# KiCad board k410t-devboard.kicad_pcb (continued)
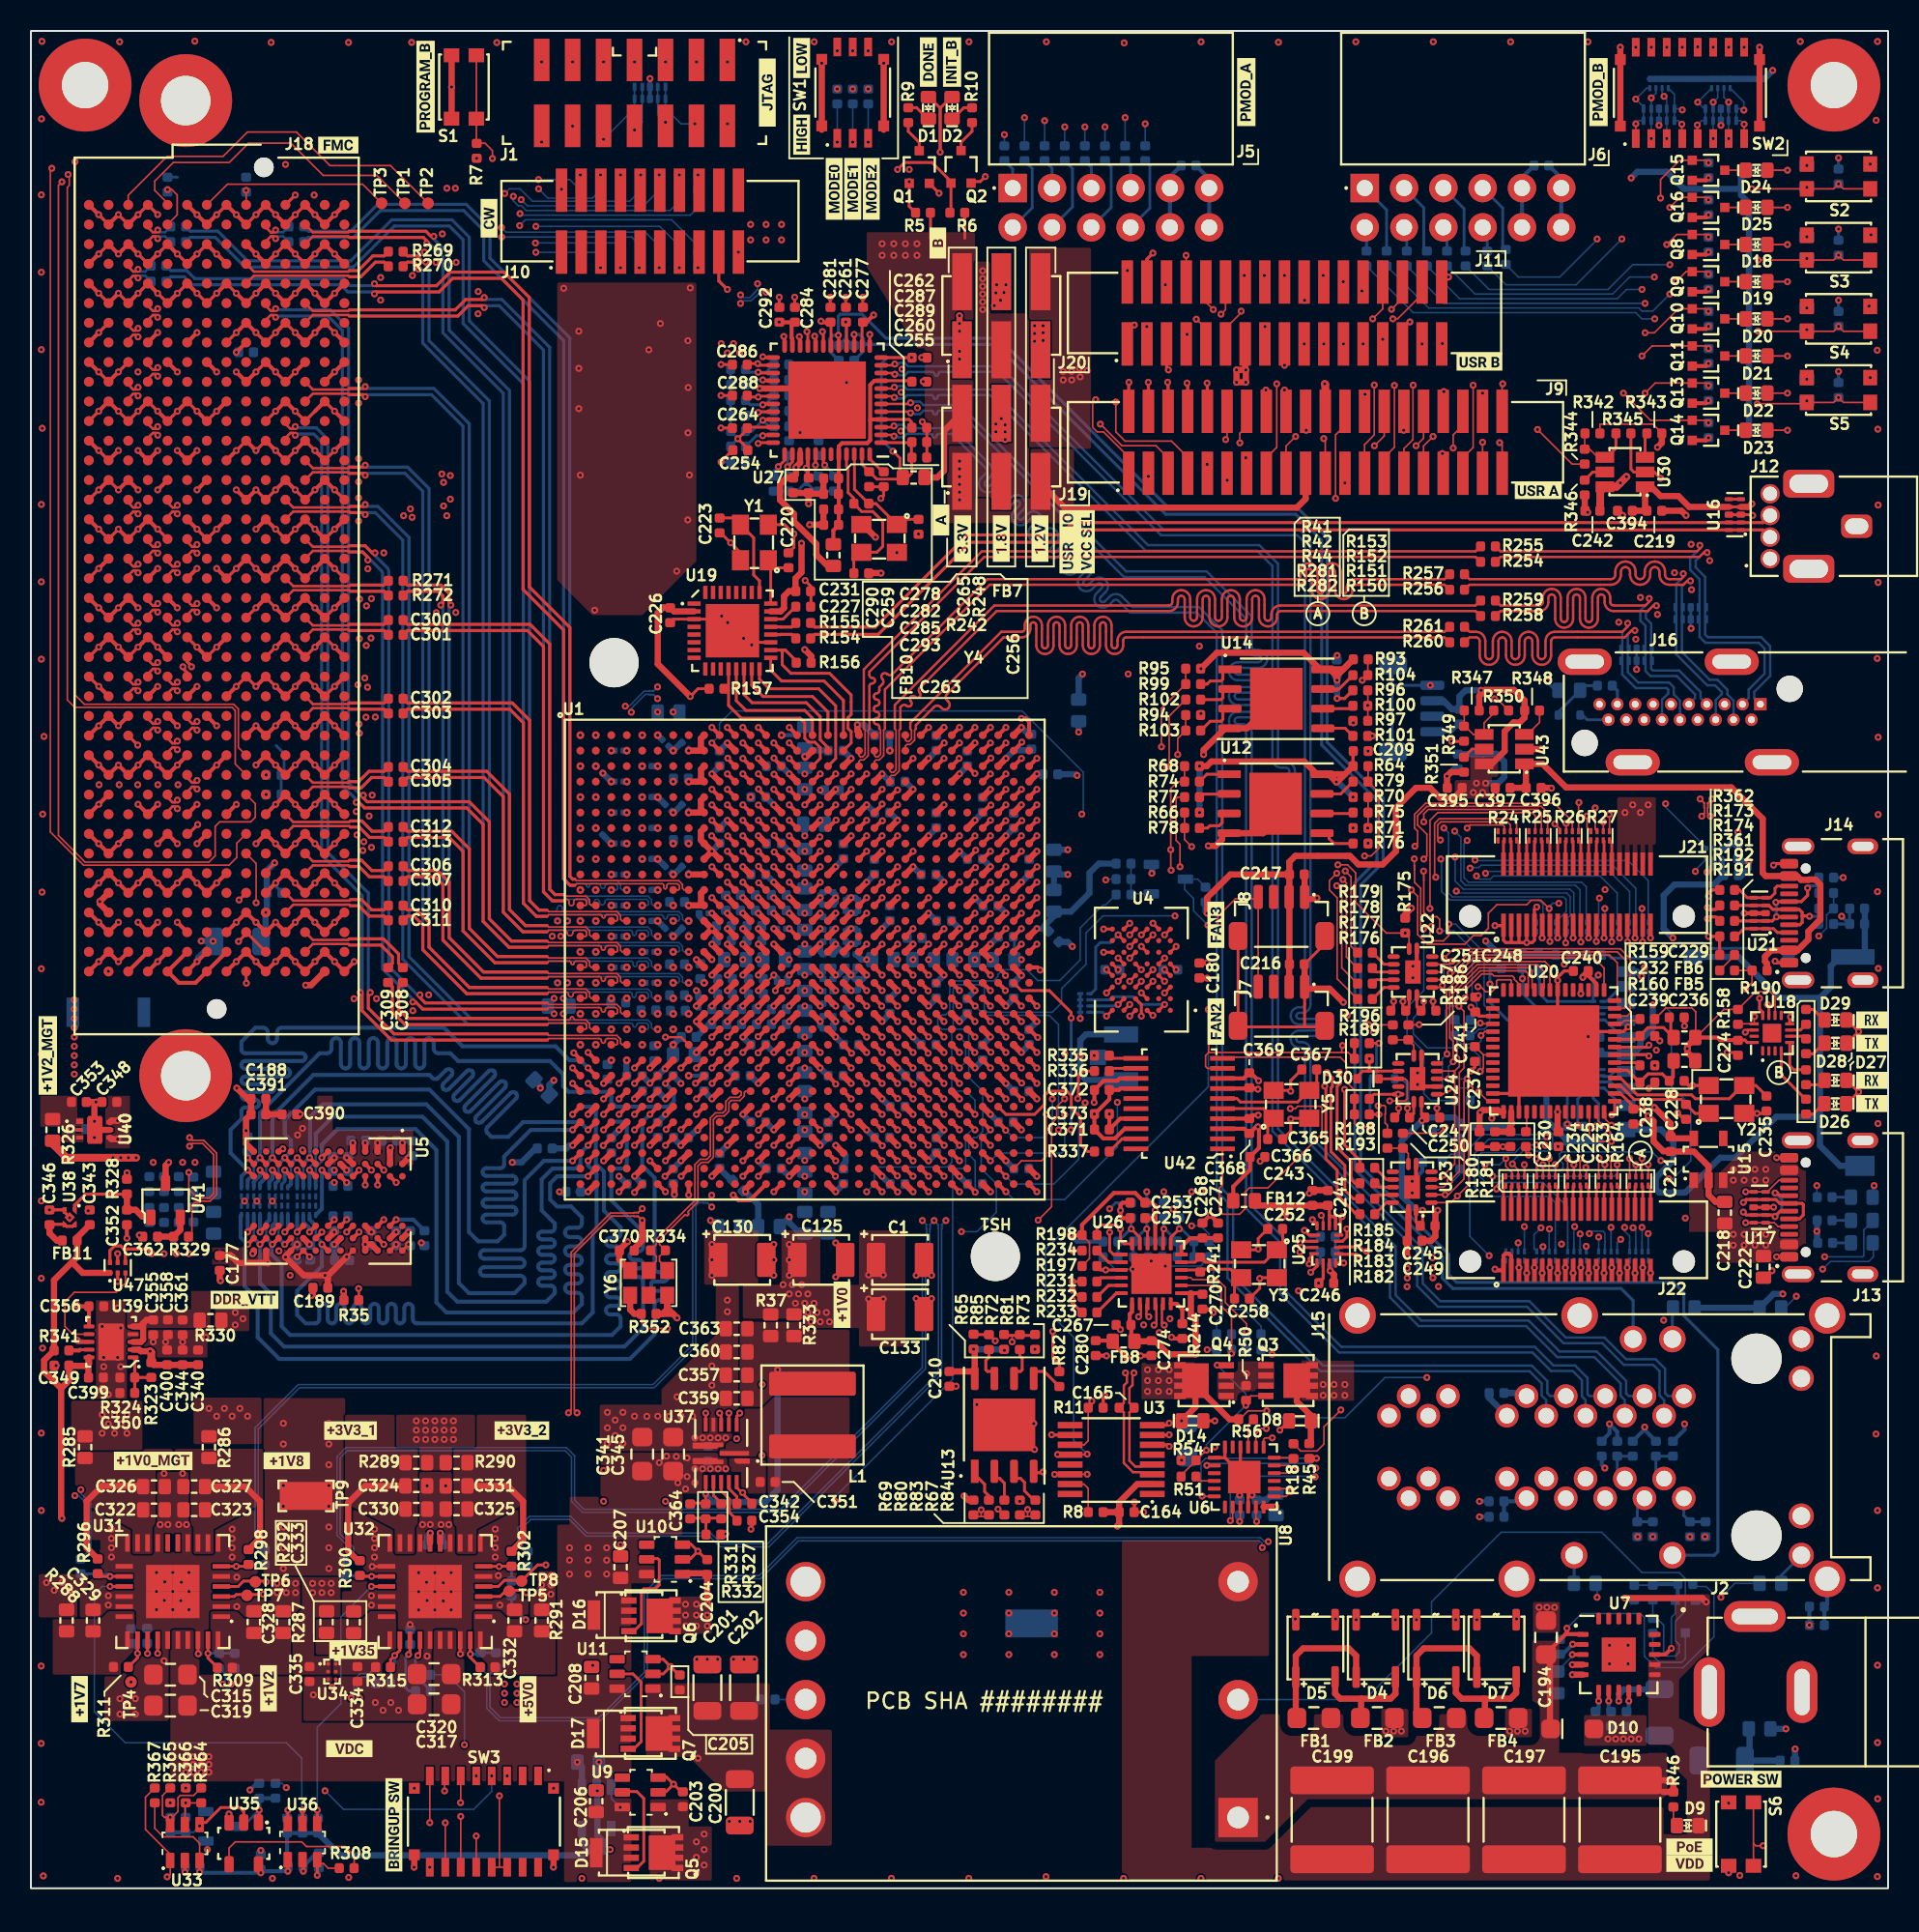
[diagram p0: board, top side]
## Routing (per net, layer and track width the routed paths; a pad name or vN(x,y) marks a point on that pad's centre or on a via; arc(x,y) is an arc through that point) (continued)
/DC-DC Converters/1V0_REG: length 15.4
  Top w0.177: U37.10 v1(43.6,25.5) 43.6,24.88 42.6,24.88
  Bottom w0.4: v1(43.6,25.5) 43.6,25.4 44.04,24.96 47.46,24.96 48.25,25.75 v1(48.25,33.5)
/DC-DC Converters/1V0_SS: length 2.9
  Top w0.177: 44.6,26.25 44.6,25.68 45.13,25.15 45.13,24.28 45.62,23.8
/DC-DC Converters/1V0_VCC: length 1.6
  Top w0.177: 45.62,24.9 45.62,25.31 45.1,25.82 45.1,26.25
/DC-DC Converters/1V7: length 1.1
  Top w0.4: 5.1,49.5 5.2,49.6 v1(5.6,49.6) ; 5.1,48.5 5.2,48.4 v1(5.6,48.4)
  vias: v1(1,19.75) v1(1.5,19.25) v1(2,19.75) v1(2.5,19.25)
/DC-DC Converters/1V8_local: length 7.4
  Top w0.4: 14.06,21.88 14.8,22.62 14.8,25 13.85,25.95 C327.2
/DC-DC Converters/1V85_OUT: length 6.8
  Top w0.201: 6.2,44.85 3.53,44.85 2.82,44.15 2.82,43.8
  Top w0.4: 6.2,44.85 6.2,43.84 6.76,43.84 7.2,43.4 7.75,43.4
/DC-DC Converters/1V85_VIN: length 3.3
  Top w0.201: 2.82,42.9 2.69,42.77 2.31,42.77 U38.3 1.24,42.9 1.2,42.87
  Top w0.4: 1.2,42.87 1.2,42.32 1.67,41.85 2.01,41.85
/DC-DC Converters/3V3_local: length 8.3
  Top w0.4: 21.25,21.17 21.13,21.17 20.5,21.8 20.5,24.9 21.6,26 C324.2
/DC-DC Converters/3V3_local_2: length 7.6
  Top w0.4: 31.05,21.77 31.8,22.52 31.8,25 30.8,26 C331.2
/DC-DC Converters/+0V675_EN: length 8.4
  Top w0.1: 3.75,35.8 2.7,35.8 2.2,36.3 2.2,37.9 2.8,38.5 5.5,38.5 6.1,39.1 6.1,39.76
/DC-DC Converters/VDDR_PGOOD: length 1.3
  Top w0.182: U39.9 3.18,34.8
  Top w0.256: 3.18,34.8 3.12,34.75 2.46,34.75
/DC-DC Converters/VDDR_VRI: length 3.4
  Top w0.201: 7.78,33 6.71,33 ; 6.71,32 6.71,34.19 U39.1
/DC-DC Converters/VDDR_VTT: length 3.2
  Top w0.4: 7.9,36.72 7.47,36.72 7.25,36.5 ; U39.3 7.1,35.3 7.25,35.45 7.25,36.5 ; 7.25,36.5 7.05,36.3 6.6,36.3
/Power supply/VBUS_DIS: length 10.9
  Top w0.1: v1(75.68,25.34) 75.7,25.32 76.47,25.32 ; v1(83.07,27.78) 82.71,27.78 82.7,27.78
  Bottom w0.1: v1(75.68,25.34) 75.6,25.41 75.6,27.48 75.91,27.78 v1(83.07,27.78)
/Power supply/VDD: length 32
  Top w0.256: 99.17,16.42 99.25,16.5 v1(99.25,16.8) ; 99.17,16.42 97.9,15.15 ; 99.17,16.42 100.25,16.42 100.28,16.4
  Top w0.4: 98.15,10.3 98.15,14.9 97.9,15.15 ; C195.2 106.02,6.97 106.13,6.87 106.13,6.22 ; 105.46,6.22 106.11,6.22
  Bottom w0.1: v1(99.25,16.8) 100.2,17.75 104,17.75 104.25,17.5 104.25,15 105,14.25 106.75,14.25 108.75,16.25 108.75,19 108.25,19.5 107.54,19.5 107.38,19.65
  Bottom w0.256: v1(99.25,16.8) 99.25,16.5 98.84,16.09 98.8,16.09
/Power supply/VSS: length 1.4
  Top w0.4: v1(99.6,14.45) 100.28,14.45 ; 100.28,13.8 v1(99.6,13.8)
  vias: v1(87.55,10.15) v1(88.05,10.15) v1(88.55,10.15) v1(95.55,10.15) v1(96.05,10.15) v1(96.55,10.15) v1(97.45,18.15) v1(97.95,18.15) v1(98.45,18.15) v1(101.9,9.65) v1(102,15.7) v1(102,14.5) v1(102.4,9.65) v1(102.9,9.65) v1(103.2,15.7) v1(103.2,14.5) v1(103.4,9.65) v1(103.9,9.65)
GND: length 943.4
  Top w0.1: 118.85,102.2 118.8,102.2 v1(118.77,102.22) ; 95.49,76.1 94.74,76.85 v1(94.57,76.85) ; 46.07,14.8 45.5,14.8 ; v1(16.28,47.78) 16.18,47.78 16,47.6 ; v1(10.2,46.25) 10.2,45.15 NT2.1 ; 45.8,3.8 46.2,4.2 46.3,4.2 ; 112.08,63 U21.8 v1(110.7,63) ; 85.41,75.42 85.41,75.33 v1(85.45,75.3) ; 36.22,14.35 36.25,14.35 v1(36.3,14.4) ; 41,118.13 v1(41,118) ; 118.85,106.8 118.88,106.8 v1(118.9,106.83) ; v1(70.4,36.1) 70.1,36.4 ; 36.53,6.38 v1(36.6,6.3) ; 37,118.13 v1(37,118) ; 107.7,118.95 v1(107.7,118.97) ; v1(55.5,73.5) U1.B21 ; NT24.2 U1.U13 ; U5.L9 v1(16.03,41.18) ; 43,118.13 v1(43,118) ; 35,118.13 v1(35,118) ; 17.6,47.6 17.6,47.65 v1(17.55,47.7) ; 33,118.13 v1(33,118) ; 39,118.13 v1(39,118) ; 45,118.13 v1(45,118)
  Top w0.114: NT27.1 39.24,43.41 v1(39.5,43.15) ; v1(108.62,70.38) 108.36,70.12 108.36,70.09
  Top w0.177: U37.14 45.6,25.88 46.59,24.9 ; v1(18,40.8) U5.J9 v1(17.2,40.8) ; 44.59,22.9 v1(44.9,22.9)
  Top w0.182: v1(41.53,6.73) 42.01,6.24 42.12,6.24 ; v1(41.53,6.73) 41.05,7.2 40.78,7.2 ; v1(41.53,6.73) 41.05,6.25 40.78,6.25 ; 57.9,98.9 v1(57.55,98.9) ; v1(41.32,14.32) 40.85,13.85 U11.2 ; v1(41.32,14.32) 40.85,14.8 U11.3 ; v1(41.32,14.32) 41.81,13.84 41.93,13.84 ; 83.6,61.45 83.6,61.02 82.28,59.7 ; v1(111.25,88.7) 111.2,88.75 109.71,88.75 ; 57.88,92.45 57.89,92.47 57.89,94.46 v1(57.6,94.75) ; v1(22.05,20.79) 22.96,20.79 U32.17 ; v1(88.38,50.4) 88.38,50.07 88.1,49.8 ; U33.2 9.95,1.8 v1(9.95,1.05) ; v1(49.35,102.8) 49.35,102.17 ; 57.89,97.35 v1(57.65,97.35) ; 90.8,56.7 90.6,56.9 v1(90.6,57.3) ; 117.33,50.69 118.1,51.45 v1(118.1,51.45) 117.35,52.2 ; Y5.2 81.45,49.75 v1(81.4,49.7) 81.4,48.91 80.88,48.4 ; 45.85,85.8 45.85,86.29 v1(45.21,86.93) 44.58,87.56 44.5,87.56 ; 78,61.45 78,55.65 82.31,55.65 ; v1(54.2,100.39) 54.2,100.39 54.2,99.58 ; Y1.2 48.7,88.1 v1(49.3,87.5) 49.3,86.64 48.95,86.28 ; 45.29,96.45 v1(44.59,96.45) ; 79.91,42.6 79.3,41.99 v1(79.3,41.3) 79.25,41.25 Y3.2 ; v1(43.1,21.78) 43.59,21.28 43.7,21.28 ; v1(43.1,21.78) 42.62,22.25 42.35,22.25 ; v1(43.1,21.78) 42.62,21.3 42.35,21.3 ; v1(88.05,57.3) 88.05,56.9 87.85,56.7 ; 117.35,56.1 v1(118.1,55.35) 117.35,54.6 ; v1(90.85,50.4) 90.85,50 91.05,49.8 ; v1(109.6,54) 110.1,54 110.3,53.8 ; 82.31,55.65 83.6,55.65 ; 82.31,55.65 82.3,55.66 82.3,58.18 ; 54.15,90.55 55.08,90.55 55.09,90.56 55.09,89.97 v1(54.92,89.8) ; v1(51.65,102.8) 51.65,102.17 ; U35.3 v1(12.8,4.8) ; 82.12,52.9 81.4,52.19 v1(81.4,51.5) 81.35,51.55 Y5.4 ; 45.29,94.35 v1(44.59,94.35) ; v1(58.68,109.52) 58.05,110.15 58.05,110.26 ; 43.07,49.07 v1(43.07,48.97) ; v1(52.65,102.8) 52.65,102.17 ; Y3.4 79.45,39.45 v1(79.4,39.4) 79.4,38.76 78.74,38.1 ; v1(61.67,110.59) 61.34,110.27 60.75,110.27 ; 41.3,81.75 41.55,82 44.57,82 46.07,80.5 47.8,80.5 ; 103.38,94 103.38,91.69 103.57,91.5 104.9,91.5 v1(105.3,91.1) ; 10.79,16.04 10.79,15.18 v1(10.81,15.15) ; 45.29,98.45 v1(44.59,98.45) ; 45.34,92.92 44.59,92.18 v1(44.59,92.15) ; v1(48.35,102.8) 48.35,102.16 ; 27.74,16.04 27.74,15.15 v1(27.75,15.14) ; v1(53.75,102.8) 53.75,102.17 ; 50.4,82.8 50.4,84.12 v1(50.03,84.49)
  Top w0.184: 69.88,59.72 v1(70.25,59.35) ; U4.D1 v1(73.25,59.35)
  Top w0.198: U36.2 17.6,1.8 v1(17.6,1.1) ; v1(106.85,55.72) 106.85,56.25 106.83,56.26 ; 104.94,55.06 105.25,54.76 v1(105.25,54.75) ; 104.94,52.06 104.56,51.68 v1(104.54,51.68)
  Top w0.201: v1(10.73,103.05) J18.F06 v1(12,103.05) ; v1(19.62,90.35) J18.Y16 ; U20.57 98.65,54.35 98.65,58.85 99.06,59.26 99.65,59.26 ; U20.57 99.65,55.35 102.9,55.35 v1(103.2,55.65) ; U20.57 95.65,51.35 94.46,51.35 ; U20.57 96.15,51.85 96.15,50.16 ; 96.15,61.1 v1(96.65,61.1) ; 96.15,61.1 96.15,62.22 ; 96.15,61.1 95.7,61.1 ; v1(96.65,61.1) 96.65,62.22 ; v1(96.65,61.1) 97,61.1 97.15,61.25 97.15,63.25 v1(97.3,63.4) ; J18.B03 v1(15.81,105.59) ; v1(19.62,77.65) J18.Z26 ; 93.3,53.4 93.3,53.05 v1(93.05,52.8) ; v1(5.66,95.43) 6.29,94.8 J18.K12 v1(6.92,95.43) ; v1(17.08,95.43) 17.72,94.79 18.35,95.43 ; 15.18,84.63 v1(15.81,85.27) ; v1(14.54,77.65) 13.91,78.28 v1(13.27,77.65) ; J10.17 44.45,103.85 v1(45,103.3) ; 5.6,40.44 v1(5.6,41) ; 108.41,51.87 107.13,51.87 106.83,52.16 ; v1(46.53,23.2) 46.59,23.26 46.59,23.8 ; v1(106.4,50.1) 106.82,49.68 106.94,49.68 ; v1(73.55,28.55) 73.45,28.65 72.45,28.65 ; v1(15.81,90.35) 15.18,89.71 v1(14.54,90.35) ; v1(65.4,26.9) 65.35,26.85 64.81,26.85 ; v1(17.08,90.35) 17.72,89.71 v1(18.35,90.35) ; J18.K02 v1(5.65,108.13) ; 5.02,90.98 v1(5.65,90.35) ; C222.1 112.05,39.45 v1(112.5,39.9) ; 103.54,49.37 103.97,49.37 v1(104.5,49.9) ; 113.65,55.85 113.65,56.25 v1(113.7,56.3) ; 78.15,28.5 78.15,26.82 U6.25 ; J18.K24 v1(6.92,80.19) ; 95.7,61.1 95.65,61.15 95.65,62.22 ; 95.7,61.1 95.3,61.1 95.15,61.25 95.15,62.22 95.12,62.2 v1(94.6,62.2) ; 17.72,83.36 v1(18.35,82.73) ; v1(108.4,61.5) 109.12,61.5 109.12,60.3 ; 8.83,102.41 v1(8.19,103.05) ; 77.15,28.5 77.15,27.82 ; 77.15,27.82 76.47,27.82 ; 77.15,27.82 U6.25 ; v1(72.39,40.53) 72.4,40.51 U26.25 ; v1(71.3,24.95) 71.3,24.31 71.28,24.3 v1(71.9,24.3) ; 20.26,84.63 v1(19.62,85.27) ; 15.18,94.79 v1(15.81,95.43) ; J18.F24 v1(12,80.19) ; v1(73.55,30.05) 73.42,29.92 72.45,29.92 ; v1(17.08,100.51) J18.B07 ; v1(17.08,97.97) J18.B10 v1(15.81,97.97) ; 3.75,94.79 v1(4.38,95.43) ; v1(65.95,29.3) 65.96,29.29 67.15,29.29 ; 15.18,108.76 v1(15.81,108.13) ; 18.99,87.17 v1(19.62,87.81) ; 8.83,87.17 v1(8.19,87.81) ; 12.64,84.63 v1(13.27,85.27) ; v1(82.6,44.9) 82.88,45.19 ; 7.56,80.82 v1(8.19,80.19) ; 5.02,82.09 v1(4.38,82.73) ; v1(3.7,43.78) 3.76,43.84 3.8,43.84 ; 17.72,93.52 v1(18.35,92.89) ; 110.71,50.06 v1(111.54,50.06) 112,50.06 112.14,50.22 ; 8.83,94.79 v1(9.46,95.43) ; 15.18,79.55 v1(15.81,80.19) ; J18.Z23 v1(19.62,80.19) ; 5.02,102.41 v1(4.38,103.05) ; v1(76,97.25) 76.01,97.23 76.01,95.49 ; v1(4.38,87.81) 5.02,87.17 v1(5.65,87.81) ; v1(4.38,105.59) 5.02,106.22 ; 5.6,39.76 v1(5.6,39.2) ; v1(10.73,105.59) J18.F03 ; U17.8 v1(112.6,44) ; 3.75,78.28 4.38,77.65 v1(4.39,77.65) ; 15.18,103.68 v1(15.81,103.05) ; v1(1.2,43.84) 2.14,43.84 2.18,43.8 2.18,43.68 U38.5 v1(2.5,43.32) ; v1(72.5,105.65) 72.11,105.26 J11.4 ; v1(17.08,77.65) J18.B26 ; 15.18,83.36 v1(15.81,82.73) ; U6.25 78.65,26.32 78.65,24.64 ; v1(112.7,59.9) 112.8,59.8 113.61,59.8 ; 13.91,85.9 v1(14.54,85.27) ; v1(17.08,92.89) J18.B14 v1(15.81,92.89) ; v1(15.81,87.81) 16.45,87.17 v1(17.08,87.81) ; 70.94,95.49 70.94,97.28 v1(70.95,97.3) ; J14.A12 112.7,66.2 v1(112.6,66.1) ; 12.64,103.68 v1(13.27,103.05) ; 5.02,92.25 v1(4.38,92.89) ; J18.F12 v1(12,95.43) ; 74.75,95.49 74.75,97.2 v1(74.7,97.25) ; 113.61,40.8 v1(112.8,40.8) ; 6.29,87.17 v1(6.92,87.81) ; J13.A12 v1(112.8,47.2) ; 13.91,102.41 v1(14.54,103.05) ; v1(10.73,87.81) 11.37,87.17 v1(12,87.81) ; 13.91,82.09 v1(14.54,82.73) ; v1(19.62,100.51) J18.Z07 ; 72.21,95.49 72.21,97.3 v1(72.2,97.3) ; v1(17.08,108.13) 17.72,108.76 ; 95.6,47.9 95.13,47.9 v1(95.12,47.91) 93.6,47.91 ; 5.02,97.33 v1(4.38,97.97) ; 12.64,99.87 v1(13.27,100.51) ; 83.5,40.4 83.5,39.4 v1(83.2,39.1) ; v1(14.54,92.89) 15.18,93.52 ; 7.56,104.95 v1(6.92,105.59) ; 3.75,89.71 v1(4.38,90.35) ; J18.K09 v1(5.65,97.97) ; v1(17.08,85.27) 17.72,84.63 v1(18.35,85.27) ; 7.56,103.68 v1(6.92,103.05) ; 15.18,98.6 v1(14.54,97.97) ; J18.G05 v1(9.46,103.05) ; v1(15.81,100.51) 15.18,99.87 v1(14.54,100.51) ; 17.72,88.44 v1(18.35,87.81) ; 8.83,106.22 v1(8.19,105.59) ; v1(5.65,103.05) J18.K06 ; v1(73.55,29.3) 73.54,29.29 72.45,29.29 ; v1(73.45,97.3) 73.47,97.28 73.47,95.49 ; 13.91,93.52 v1(13.27,92.89) ; v1(8.19,108.14) 7.56,108.77 ; 18.99,96.06 v1(19.62,95.43) ; v1(98.68,47.93) 98.7,47.9 ; 12.64,108.76 v1(12,108.13) ; v1(6.92,108.13) 7.56,108.76 ; 93.32,57.6 93.4,57.68 v1(93.53,57.68) ; v1(15.81,77.65) 15.18,78.28 ; 17.72,78.28 v1(18.35,77.65) ; v1(108.4,64.1) 108.4,64.3 108.6,64.5 109.12,64.5 ; 17.72,79.55 v1(18.35,80.19) ; 5.02,101.14 v1(4.38,100.51) ; D14.2 v1(76.5,30.2) ; J18.B23 v1(17.08,80.19) ; 5.02,107.49 v1(4.38,108.13) ; 10.1,96.06 v1(10.73,95.43) ; 13.91,107.49 v1(14.54,108.13) ; J18.Z14 v1(19.62,92.89) ; J18.B22 v1(17.08,82.73) ; J18.G04 v1(9.46,105.59) ; v1(10.73,80.19) J18.G23 ; J18.Z22 v1(19.62,82.73) ; 17.72,104.95 v1(17.08,105.59) ; 7.56,96.06 v1(8.19,95.43) ; D8.2 v1(80.7,29.6) ; 3.75,79.55 v1(4.38,80.19) ; 3.75,84.63 v1(4.38,85.27)
  Top w0.256: J18.Z23 v1(18.35,80.19) ; v1(12,108.13) J18.F02 v1(10.73,108.13) J18.G01 ; J18.F30 v1(12,72.57) 12.64,73.2 ; 7.56,99.87 v1(8.19,100.51) ; 75.7,43 v1(76.2,43.5) 76.7,43 76.7,42.99 ; 71,43.3 70.55,43.3 70.4,43.45 v1(70.4,43.8) 70.4,44.15 70.55,44.3 71.01,44.3 ; 3.75,98.6 v1(4.38,97.97) ; J18.B26 v1(15.81,77.65) ; 12.64,88.44 v1(12,87.81) ; 107.45,98.35 108.24,98.35 v1(108.4,98.52) ; v1(4.39,77.65) 5.02,77.01 5.02,77.01 ; 15.18,64.31 v1(15.81,64.95) J18.B35 v1(17.08,64.95) 17.72,64.31 v1(18.35,64.95) J18.Z35 v1(19.62,64.95) J18.Y36 ; 3.75,69.39 v1(4.38,70.03) 5.02,70.66 ; 10.1,59.23 v1(10.73,59.87) 11.37,60.5 ; 95.65,39.93 95.65,40.85 95.5,41 95.28,41 95.15,40.88 95.15,39.93 94.68,39.93 v1(94.6,40) ; 8.83,102.41 v1(9.46,103.05) ; J18.Y13 v1(19.62,92.89) ; 5.02,102.41 v1(5.65,103.05) ; v1(19.62,108.13) J18.Y01 J18.Z02 17.72,108.76 v1(18.35,108.13) ; 68.8,34.41 69.49,34.41 v1(69.5,34.4) ; J18.Z22 v1(18.35,82.73) ; 15.18,83.36 v1(14.54,82.73) ; J18.G04 v1(10.73,105.59) ; 6.29,60.5 v1(5.65,59.87) 5.02,60.5 v1(4.38,59.87) 3.75,59.23 ; v1(3,35.4) 3.1,35.3 U39.8 ; 12.64,108.76 v1(13.27,108.13) 13.91,107.49 ; J18.K02 v1(6.92,108.13) ; 5.02,90.98 v1(4.38,90.35) ; 3.75,73.2 v1(4.38,72.57) 5.02,71.93 5.65,72.56 v1(5.65,72.56) 6.29,71.93 J18.K30 v1(6.92,72.57) 7.56,73.2 v1(8.19,72.57) 8.83,71.93 v1(9.46,72.57) J18.G29 ; 107.45,107.95 108.24,107.95 v1(108.4,108.11) ; 17.72,88.44 v1(17.08,87.81) ; J18.Y24 v1(19.62,80.19) ; 10.1,96.06 v1(9.46,95.43) ; v1(14.54,87.81) 15.18,88.44 v1(15.81,87.81) ; 3.75,88.44 v1(4.38,87.81) ; 17.72,83.36 v1(17.08,82.73) ; J18.Z26 v1(18.35,77.65) ; J18.K24 v1(5.65,80.19) 5.02,80.82 v1(4.38,80.19) ; 12.64,65.58 v1(12,64.95) J18.F36 v1(10.73,64.95) J18.G35 v1(9.46,64.95) 8.83,64.31 v1(8.19,64.95) 7.56,65.58 v1(6.92,64.95) J18.K36 v1(5.65,64.95) 5.02,65.58 v1(4.38,64.95) 3.75,64.31 ; 3.75,74.47 v1(4.38,75.11) 5.02,75.74 v1(5.65,75.11) 6.29,75.74 ; J18.F24 v1(10.73,80.19) ; v1(15.81,90.35) J18.B15 v1(17.08,90.35) ; 3.75,63.04 v1(4.38,62.41) 5.02,61.77 v1(5.65,62.41) ; 12.64,77.01 v1(13.27,77.65) ; v1(6.92,82.73) J18.K21 v1(5.65,82.73) 5.02,82.09 ; U24.3 89.72,51.8 v1(89.6,51.93) ; v1(14.54,90.35) 13.91,89.71 v1(13.27,90.35) ; 5.02,85.9 v1(4.38,85.27) ; v1(18.35,85.27) J18.Z19 v1(19.62,85.27) ; 75.5,58.81 75.99,58.81 v1(76,58.8) ; 15.18,69.39 v1(15.81,70.03) 16.45,70.66 v1(17.08,70.03) 17.72,69.39 v1(18.35,70.03) 18.99,70.66 v1(19.62,70.03) J18.Y32 ; 107.45,100.75 108.24,100.75 v1(108.4,100.92) ; 11.37,75.74 v1(12,75.11) ; J18.Y28 v1(19.62,75.11) 18.99,75.74 v1(18.35,75.11) 17.72,74.47 v1(17.08,75.11) 16.45,75.74 v1(15.81,75.11) 15.18,74.47 v1(14.54,75.11) 13.91,74.47 ; J18.Y17 v1(19.62,87.81) ; 17.72,78.28 v1(17.08,77.65) ; v1(8.19,67.49) 8.83,68.12 v1(9.46,67.49) ; 3.75,103.68 v1(4.38,103.05) ; 77,52.32 78.37,52.32 78.72,52.69 78.81,52.69 v1(79.32,52.18) ; 13.91,106.22 v1(14.54,105.59) 15.18,104.95 v1(15.81,105.59) ; U24.7 89.85,52.93 v1(89.6,52.68) ; 5.02,107.49 v1(5.65,108.13) ; 15.18,78.28 v1(14.54,77.65) ; 7.56,103.68 v1(8.19,103.05) ; 12.64,84.63 v1(12,85.27) ; 72.4,34.41 71.72,34.41 v1(71.7,34.4) ; 12.64,59.23 v1(13.27,59.87) 13.91,60.5 v1(14.54,59.87) 15.18,59.23 v1(15.81,59.87) 16.45,60.5 v1(17.08,59.87) 17.72,59.23 v1(18.35,59.87) 18.99,60.5 v1(19.62,59.87) 20.26,59.23 v1(20.89,59.87) ; J18.Y08 v1(19.62,100.51) ; J18.Y21 v1(19.62,82.73) ; 18.99,96.06 18.35,95.43 ; v1(68.7,50.78) 68.72,50.79 68.72,51.57 69.31,52.18 70.2,52.18 70.35,52.32 U42.13 ; 7.56,104.95 v1(8.19,105.59) ; 8.83,90.98 v1(8.19,90.35) ; J11.20 82.27,102.63 v1(82.3,102.6) ; J11.2 70.84,104.52 v1(70.85,104.53) ; 74.4,35.51 73.78,35.51 v1(73.7,35.6) ; 8.83,79.55 v1(8.19,80.19) ; 5.02,97.33 v1(5.65,97.97) ; J18.Y05 v1(19.62,103.05) J18.Z06 v1(18.35,103.05) 17.72,103.68 v1(17.08,103.05) J18.B06 v1(15.81,103.05) ; 89.55,60.7 89.55,59.82 v1(89.3,59.57) ; J18.B23 v1(15.81,80.19) ; 3.75,104.95 v1(4.38,105.59) ; v1(15.81,85.27) J18.B19 v1(17.08,85.27) ; v1(5.65,90.35) J18.K15 v1(6.92,90.35) ; 15.18,84.63 v1(14.54,85.27) ; 8.83,60.5 v1(8.19,59.87) 7.56,59.23 ; v1(8.19,62.41) 7.56,61.77 v1(6.92,62.41) ; 112.08,63 v1(110.7,63) ; J18.Z07 v1(18.35,100.51) 17.72,99.87 v1(17.08,100.51) ; v1(6.92,105.59) J18.K03 v1(5.65,105.59) 5.02,106.22 ; 13.91,85.9 v1(13.27,85.27) ; v1(8.19,92.89) 7.56,92.25 v1(6.92,92.89) ; J18.G05 v1(10.73,103.05) ; v1(13.27,100.51) 13.91,101.14 v1(14.54,100.51) ; 3.75,93.52 v1(4.38,92.89) ; 79.74,47.25 79.7,47.25 v1(79.43,46.97) ; J18.F15 v1(10.73,90.35) ; v1(17.08,108.13) J18.B02 v1(15.81,108.13) ; v1(14.54,67.49) 15.18,68.12 v1(15.81,67.49) J18.B34 v1(17.08,67.49) 17.72,68.12 v1(18.35,67.49) J18.Z34 v1(19.62,67.49) J18.Y33 ; 17.72,93.52 v1(17.08,92.89) ; J18.K06 v1(6.92,103.05) ; v1(4.38,95.43) 5.02,96.06 5.02,96.06 v1(5.66,95.43) ; J18.B03 v1(17.08,105.59) ; 15.18,108.76 v1(14.54,108.13) ; U42.17 70.38,49.72 69.69,49.03 v1(69.69,50.03) ; 17.72,79.55 v1(17.08,80.19) ; J18.G26 v1(10.73,77.65) ; 8.83,106.22 v1(9.46,105.59) ; 12.64,104.95 v1(12,105.59) J18.F03 ; J18.F12 v1(10.73,95.43) ; J18.Y37 v1(19.62,62.41) J18.Z38 v1(18.35,62.41) 17.72,63.04 v1(17.08,62.41) J18.B38 v1(15.81,62.41) 15.18,61.77 v1(14.54,62.41) 13.91,63.04 v1(13.27,62.41) 12.64,61.77 ; J18.Z10 v1(19.62,97.97) J18.Y09 ; 82.37,95.49 82.37,94.23 v1(82.4,94.2) ; J18.Y25 v1(19.62,77.65) ; v1(108.4,105.72) 108.24,105.55 107.45,105.55 ; 8.83,94.79 v1(8.19,95.43) ; v1(13.27,97.97) 13.91,97.33 v1(14.54,97.97) ; J18.F21 v1(12,82.73) ; v1(108.4,110.52) 108.24,110.35 107.45,110.35 ; v1(17.08,95.43) 16.45,96.06 v1(15.81,95.43) ; v1(19.62,90.35) J18.Z15 v1(18.35,90.35) ; v1(108.4,96.11) 108.24,95.95 107.45,95.95 ; J18.F09 v1(12,97.97) ; 3.75,83.36 v1(4.38,82.73) ; J18.G32 v1(10.73,70.03) ; 8.83,83.36 v1(9.46,82.73) ; 10.1,84.63 v1(10.73,85.27) ; v1(6.92,87.81) 7.56,88.44 v1(8.19,87.81) ; 3.75,99.87 v1(4.38,100.51) ; 15.18,98.6 v1(15.81,97.97) ; v1(19.62,105.59) J18.Y04 J18.Z03 17.72,104.95 v1(18.35,105.59) ; 8.83,75.74 v1(9.46,75.11) ; 7.56,80.82 v1(6.92,80.19) ; v1(14.54,72.57) 15.18,73.2 v1(15.81,72.57) J18.B30 v1(17.08,72.57) 17.72,73.2 v1(18.35,72.57) J18.Z30 v1(19.62,72.57) J18.Y29 ; J18.K33 v1(5.65,67.49) 5.02,66.85 v1(4.38,67.49) 3.75,68.12 ; 12.64,69.39 v1(13.27,70.03) ; 8.83,98.6 v1(9.46,97.97) ; J18.Z14 v1(18.35,92.89) ; v1(79.3,49.95) 78.94,49.95 78.72,49.72 77,49.72 ; 107.45,103.15 108.24,103.15 v1(108.4,103.31) ; v1(6.92,70.03) 7.56,69.39 v1(8.19,70.03) ; 107.45,93.55 108.24,93.55 v1(108.4,93.72) ; v1(9.46,92.89) J18.G14 v1(10.73,92.89) ; 15.18,93.52 v1(15.81,92.89) ; 12.64,92.25 v1(13.27,92.89) ; J18.G38 v1(9.46,62.41) ; J18.Y12 v1(19.62,95.43) ; 6.29,87.17 v1(5.65,87.81) ; 12.64,80.82 v1(12,80.19) ; J18.G08 v1(10.73,100.51) ; J18.B22 v1(15.81,82.73) ; 7.56,84.63 v1(8.19,85.27) ; J11.34 91.28,103.78 v1(91.6,104.1) ; 75.7,37.4 76.2,37.4 v1(76.4,37.2) ; 17.72,98.6 v1(17.08,97.97) ; J18.F33 v1(10.73,67.49) ; v1(91.3,96.7) 91.25,96.66 91.25,95.49 ; 13.91,102.41 v1(13.27,103.05) ; 7.56,77.01 v1(8.19,77.65) ; J18.G17 v1(10.73,87.81) ; 12.64,103.68 v1(12,103.05) ; J18.B07 v1(15.81,100.51) ; 5.02,92.25 v1(5.65,92.89) ; U23.7 89.5,45.93 v1(89.25,45.68) ; 12.64,96.06 v1(12,95.43) ; 18.99,87.17 v1(18.35,87.81) ; 13.91,93.52 v1(14.54,92.89) ; 3.75,108.76 v1(4.38,108.13) ; 15.18,103.68 v1(14.54,103.05) ; 7.56,108.76 7.56,108.77 ; 7.56,96.06 v1(6.92,95.43)
  Top w0.4: v1(94.62,70.62) 94.62,70.64 94.62,71.1 ; U1.P12 v1(46,62) ; 16.98,25.35 16.41,24.78 ; 16.98,25.35 16.41,25.92 ; 16.98,25.35 TP9.1 18.58,25.35 ; v1(84.8,57.24) 83.91,58.12 82.3,58.12 82.3,59.69 82.28,59.7 ; U1.AJ20 v1(55,46) ; U5.B2 23.2,47.82 v1(23.22,47.85) ; v1(104.5,49.9) 104.85,49.55 104.85,48.25 105.47,47.62 105.93,47.62 105.95,47.6 107.45,47.6 108.4,46.65 108.4,44.8 108.85,44.35 C218.1 ; 50.24,90.15 50.24,89.46 v1(50.25,89.45) ; 50.24,90.15 49.24,90.15 ; 50.24,90.15 50.29,90.1 51.18,90.1 51.21,90.12 51.21,91.1 ; U1.AC18 v1(53,52) ; v1(6.21,46.23) 6.2,46.22 6.2,45.82 ; 59.35,32.43 59.37,32.44 v1(59.78,32.44) ; U1.M16 v1(51,64) ; U1.L9 43.3,64.3 43.3,63.7 U1.M9 v1(42.5,63.5) ; 111.7,113.85 v1(111.7,118.95) ; 105.38,89 106.65,89 v1(106.95,88.7) ; U1.AH23 v1(58,47) ; U1.AD25 v1(60,51) ; v1(57.35,87.5) 57.34,87.49 57.34,87.49 ; v1(54.93,84.97) 54.93,84.97 54.13,84.97 ; v1(50.32,88.1) 51.21,88.1 51.21,89.1 ; 33.77,2.16 33.77,1.37 ; U5.N9 14.4,41.07 v1(14.32,41) ; 51.45,96.15 50.7,96.9 v1(47.09,96.9) ; U1.U17 v1(52,58) ; 18.58,25.35 19.15,25.92 ; 18.58,25.35 19.15,24.78 ; 14.4,47.6 13.9,48.1 v1(13.9,48.95) 13.9,49.7 14.22,50.01 14.22,51 14,51 v1(13.3,51.7) ; v1(42.5,73.5) U1.B9 43.29,73.71 43.29,74.29 U1.A9 ; U1.T12 v1(46,59) ; U1.N11 v1(45,63) ; U1.N17 v1(52,63) ; 97.6,71.1 98.22,71.1 v1(98.25,71.08) ; v1(1.62,33.78) 1.49,33.78 ; U1.AG16 v1(51,48) ; U1.Y9 v1(43,56) U1.W9 ; U1.Y17 v1(52,55) ; 55.1,113.62 v1(55.1,117.92) ; 7.22,42.1 7.1,42.1 v1(7,42.2) ; 20,46.8 v1(20.4,46.4) ; U1.AE2 v1(36,50) ; U1.AD15 v1(49,51) ; U1.R22 v1(57,61) ; U1.AK17 v1(52,45) ; U1.V18 v1(53,57) ; 53.64,88.12 53.74,88.12 v1(54.57,87.29) ; U1.C18 v1(53,73) ; U1.AH13 v1(47,47) ; U1.H13 v1(47,68) ; v1(4.1,49.55) 4.1,50.7 v1(4.2,50.8) ; 24,42 v1(24.4,42.4) ; 5.1,49 U40.7 ; U1.AJ10 v1(44,46) ; U1.P14 v1(48,62) ; U1.R14 v1(48,61) ; U1.P25 v1(60,62) ; U1.T29 64,59 v1(64,58.97) ; U1.P16 v1(51,62) ; U1.U11 v1(45,58) ; U1.G16 v1(51,69) ; U1.AA24 v1(59,54) ; 89.91,41.84 90.48,41.84 90.75,42.11 90.75,43.65 v1(90.9,43.8) ; U1.B11 v1(45,74) ; U1.L24 v1(59,65) ; U1.N13 v1(47,63) ; v1(47,58) U1.U13 ; v1(42.5,69.5) U1.F9 43.29,69.71 43.29,70.29 U1.E9 ; 20.22,38 20.22,38.56 v1(20.2,38.57) ; U1.W20 v1(55,56) ; 102.5,89 102.8,88.7 v1(102.85,88.7) ; v1(42.5,71.5) U1.D9 43.3,71.7 43.3,72.3 U1.C9 ; 83.8,45.1 82.8,45.1 v1(82.6,44.9) ; 91.5,71.1 v1(91.5,71.85) 91.76,72.11 R351.2 ; U1.D25 v1(60,72) ; U1.AF29 v1(64,49) ; U43.2 v1(97.6,73.6) ; U1.AF9 43.07,49.07 ; U1.AA14 v1(48,54) ; U1.T16 v1(51,59) ; U1.W30 v1(65,56) ; U12.9 80.43,68.97 79.62,68.17 76.97,68.17 76.97,67.77 76.55,67.35 v1(76.07,67.35) ; v1(17.4,50.01) 17.21,50.01 17.2,50 ; U1.G26 v1(61,69) ; v1(18.12,38.3) 18.22,38.39 18.22,38.8 ; U1.AH3 v1(37,47) ; U1.W11 v1(45,56) ; U1.J10 v1(44,67) ; v1(44,67) U1.H9 43.29,67.71 43.29,68.29 U1.G9 ; v1(44,67) U1.J9 ; U1.M14 v1(48,64) ; U1.K9 v1(42.5,65.5) ; U1.V16 v1(51,57) ; U1.W17 v1(52,56) ; U1.P18 v1(53,62) ; 38.99,41.2 38.99,41.34 39.5,41.85 v1(39.5,43.15) ; 24.77,2.16 24.77,1.37 v1(24.76,1.36) ; U5.D9 v1(21.6,41.6) ; v1(21.6,41.6) 22,41.6 22.4,41.2 ; v1(21.6,41.6) 21.6,42 ; U1.Y27 v1(62,55) ; U1.L14 v1(48,65) ; U1.F19 v1(54,70) ; 12.2,39.9 12.2,39.3 v1(12.25,39.25) ; v1(41.58,44.82) 41.58,45.42 U1.AK7 ; U1.R13 v1(47,61) ; 82.28,65.5 82.3,65.48 82.3,63.92 83.05,63.92 v1(83.1,63.97) ; 109.7,1.45 v1(109.7,1) ; v1(75.78,73.25) 75.78,73.55 77.17,74.94 78.57,74.94 U14.9 ; 8.7,45.5 8.7,46.7 v1(8.9,46.9) ; S6.2 v1(109.7,5.5) ; U1.AJ30 v1(65,46) ; U1.V23 v1(58,57) ; U1.T19 v1(54,59) ; U1.R11 v1(45,61) ; 38.1,21.5 v1(38.1,22.2) ; 27.18,114.33 v1(27.18,116.38) 27.18,118.43 ; v1(102.7,118.95) SW2.17 ; U1.AE22 v1(57,50) ; U1.C28 v1(63,73) ; U1.M18 v1(53,64) ; v1(64.88,34.82) R73.1 64.88,34.81 ; U1.AF19 v1(54,49) ; U1.AG6 v1(40,48) ; U1.T10 v1(44,59) ; U1.K17 v1(52,66) ; U1.R17 v1(52,61) ; U1.AG26 v1(61,48) ; 23.2,42 v1(23.6,42.4) ; v1(19.6,41.6) 20,42 ; U1.V14 v1(48,57) ; U1.T18 v1(53,59) ; 86.41,73.47 v1(86.4,73.47) ; U1.AK27 v1(62,45) ; 51.1,113.62 v1(51.1,117.92) ; U1.H23 v1(58,68) ; U1.AD5 v1(39,51) ; U1.R9 v1(44,60) ; v1(24,48.17) 24,47.6 ; U1.M12 v1(46,64) ; U1.M21 v1(56,64) ; v1(21.6,48.17) 21.6,47.6 ; U1.P9 v1(44,62) ; v1(44,62) U1.N9 ; v1(44,62) U1.P10 ; U1.E22 v1(57,71) ; U1.AC28 v1(63,52) ; U1.AB11 v1(45,53) ; 3.59,50.8 4.59,50.8 ; U1.U26 v1(61,58) ; U1.W15 v1(49,56) ; U1.V10 v1(44,57) ; U1.AE12 v1(46,50) ; U1.N15 v1(49,63) ; v1(100.6,88.9) 100.5,88.9 100.4,89 100.4,90.02 ; U1.A24 v1(59,75) ; U1.V12 v1(46,57) ; U1.J30 v1(65,67) ; U1.W13 v1(47,56) ; U1.D15 v1(49,72) ; U1.V9 v1(43,57) ; U1.N28 v1(63,63) ; U1.K27 v1(62,66) ; U1.F29 v1(64,70) ; U1.AB21 v1(56,53) ; U1.J20 v1(55,67) ; 40.4,37.11 41.49,37.11 v1(41.75,36.85) 41.12,37.48 41.12,38.31 41.12,37.42 40.81,37.11 40.4,37.11
  In2.Cu w0.1: v1(0.71,119.33) 0.71,119.29 MH4.1
  Bottom w0.1: v1(71.2,40) 70.05,40 69.27,40.78 ; U46.3 U46.8 109.19,113.91 v1(109.2,113.9) ; U45.3 U45.8 v1(105.2,113.9) ; NT37.1 46.95,103.29 v1(46.95,103.67) ; v1(73.3,40.2) 75.6,40.2 75.7,40.3 75.7,40.37 76.11,40.78 ; 73.1,40.8 72.22,40.8 72.2,40.78 ; NT34.1 40.23,77.12 v1(40.49,76.86) ; 23.96,48.12 v1(24,48.17) ; NT35.1 43.73,44.52 v1(43.99,44.78) ; 51.25,70.95 v1(51,70.95) ; v1(11.4,2.5) 11.4,3 11.35,3.05 ; v1(50,72) C106.2
  Bottom w0.114: NT29.1 57.86,42.88 v1(57.6,43.14) ; v1(59.12,43.14) 58.86,42.88 NT30.1
  Bottom w0.177: 49.38,94.05 49.38,93.92 49.35,93.9 ; 49.38,94.05 48.98,94.45 48.98,98.45 ; 49.38,94.05 v1(49.7,94.05) ; v1(49.7,94.05) 50.38,94.05 50.89,93.53 ; v1(49.7,94.05) 49.51,94.05 49.35,93.9 ; 48.99,93.53 49.35,93.9
  Bottom w0.182: v1(103.75,78.75) 103.75,80.08 ; 87.95,77.67 88,77.72 90.48,77.72 ; 87.95,77.67 87.95,79.02 ; 87.95,77.67 87.95,73.42 ; 52.2,96.81 52.23,96.81 v1(52.7,97.29) 53.17,96.81 53.2,96.81 ; 45.21,92.15 v1(44.59,92.15) ; C4.1 63.55,61.27 63.32,61.5 ; v1(57,61) 57,61.01 56.62,61.4 ; v1(17.6,1.1) 17.59,1.12 17.59,1.4 ; 14.85,2.19 v1(14.85,2.45) ; U28.8 107.25,81.42 v1(107.27,81.4) ; 24.5,16.72 v1(24.5,17.04) ; 9.97,1.4 9.97,1.06 v1(9.95,1.05)
  Bottom w0.201: v1(15.81,64.95) 15.81,64.75 16.25,64.31 ; 102.2,77.7 102.51,77.39 102.51,76.5 ; 76.62,34.8 v1(76,34.8) ; 79.49,34.8 79.9,34.8 v1(80.2,34.5) ; 116.49,62.3 117.51,62.3 ; 117.51,62.3 117.51,63.3 ; 117.51,62.3 117.5,62.3 v1(117,62.8) ; 116.49,65.3 v1(117.1,65.3) ; 119.05,44.65 119.05,45.35 v1(119.1,45.4)
  Bottom w0.256: 41.5,45.68 41.5,44.9 v1(41.58,44.82) ; v1(114.92,17) 114.92,18.19 114.9,18.2 ; 106.1,28.88 106.85,29.63 v1(106.85,30) ; 73.6,107.31 73.6,110.58 74.31,111.3 ; v1(89.25,45.68) 89.9,46.32 89.9,47 ; C2.1 49.45,74.5 v1(48.5,74.5) ; v1(10.73,59.87) 10.73,60.15 v1(11.77,61.19) ; 97.12,111.3 96.35,110.53 96.35,107.31 ; 14.75,6.78 14.59,6.78 v1(14.15,6.35) ; v1(40,116.92) 40,115.61 ; 101.5,28.9 102,29.4 v1(102,30) 102.5,29.5 102.5,28.88 ; v1(33.8,56.5) 33.4,56.9 C120.1 33.4,57.1 v1(33.8,57.5) ; v1(42.5,52.5) 43.5,52.5 ; 18.6,2.28 18.47,2.28 17.59,1.4 ; 94.2,25 v1(93.6,25)
  Bottom w0.4: v1(37.43,2.5) 36.99,2.5 36.99,3.03 36.6,3.42 v1(36.6,6.3) ; C21.1 64.56,73.53 63.53,73.53 v1(63,73) ; 94.2,32 94.2,31.7 95.37,30.53 ; 61.5,69.5 v1(61,69) ; 44.5,73.5 v1(45,74) ; 108.75,66.51 108.75,66.1 v1(108.3,65.65) ; 40.12,66.5 v1(40.5,66.5) 40.97,66.03 ; C54.1 44.31,42.75 v1(43.91,43.15) ; v1(104.07,58.93) 103.78,59.22 J23.9 ; 58.5,65.5 v1(59,65) ; v1(40.5,74.5) 40.77,74.23 ; 52.65,61.82 52.83,62 v1(53,62) 53.27,62 53.45,61.82 ; 53.45,63.82 53.27,64 v1(53,64) 52.83,64 52.65,63.82 ; 51.82,62.75 51.82,62.82 v1(52,63) ; C108.2 41.49,54.49 v1(41.5,54.5) 42,55 ; v1(52,61) 52,60.93 52.57,60.35 52.68,60.35 ; v1(52,61) 52,60.53 51.82,60.35 ; v1(52,61) 51.85,61.15 51.82,61.15 ; 42.5,48.5 42.97,48.97 v1(43.07,48.97) ; 51.82,55.55 51.82,55.82 v1(52,56) 51.82,56.18 51.82,56.35 ; v1(114,9) 113.99,8.99 113.99,8.25 ; v1(53,59) 52.93,59 52.65,58.72 ; v1(53,59) 53.28,58.72 53.72,58.72 v1(54,59) 53.45,59.55 53.32,59.55 53.32,59.32 v1(53,59) ; v1(11,61.2) 11.53,61.2 11.56,61.17 ; 4.1,49.04 4.09,49.05 3.55,49.05 ; 4.1,49.04 v1(4.1,48.5) 3.55,49.05 ; 4.1,49.04 v1(4.1,49.55) 3.6,49.05 3.55,49.05 ; U1.H13 v1(47,68) ; v1(36.7,8.15) 36.55,8 36.55,6.55 ; C107.2 49,43.36 v1(49,43.38) 49,43 49.7,42.3 C387.1 C381.1 ; 22,41.5 21.7,41.5 v1(21.6,41.6) ; v1(38,46) 38.5,45.5 ; 47.5,65.5 v1(48,65) ; 62.5,63.5 v1(63,63) ; 48.5,72.5 v1(49,72) ; 32.7,47.8 32.6,47.8 31.7,46.9 v1(31.1,46.9) ; U1.J20 v1(55,67) ; v1(67.95,78.45) 67.7,78.2 C7.1 ; 52.5,73.5 v1(53,73) ; 66.44,61.14 67,61.14 v1(67.29,60.85) ; 70.44,52.22 68.18,52.22 67.8,52.6 v1(67.8,53.8) 67.8,54.8 68.18,55.18 70.44,55.18 ; 55.5,56.5 v1(55,56) ; 58.5,68.5 v1(58,68) ; 40.97,62.03 v1(40.5,62.5) 40.12,62.5 ; 60.5,72.5 v1(60,72) ; C4.1 v1(64,60) ; 64.5,55.5 v1(65,56) ; U1.AC18 v1(53,52) ; 63.5,58.5 63.97,58.97 v1(64,58.97) ; v1(51,57) 51.15,57.15 51.18,57.15 ; v1(51,69) 51.05,69 C105.2 ; 63.5,51.5 v1(63,52) ; 53.2,96.81 52.2,96.81 ; 47.5,46.5 v1(47,47) ; R339.1 38.47,52.53 38.47,53.47 v1(38.5,53.5) ; 56.5,71.5 v1(57,71) ; v1(44,62) 43.18,62.82 43.18,63 ; 19.6,40.57 19.6,41.5 ; v1(55.5,73.5) 55.5,74.5 55.5,74.5 ; 61.5,54.5 v1(62,55) ; 58.5,57.5 v1(58,57) ; 52.5,54.5 v1(52,55) ; 56.5,52.5 v1(56,53) ; U1.AK27 v1(62,45) ; 51.18,59.55 51.18,59.18 v1(51,59) 51.18,58.82 51.18,58.75 ; v1(67.6,71.9) 67.53,71.97 66.38,71.97 ; C380.1 v1(50,47.02) ; 40.97,70.03 v1(40.5,70.5) 40.12,70.5 ; 40.28,54.45 40.32,54.5 v1(40.5,54.5) ; 40.12,72.5 v1(40.5,72.5) ; U1.AJ30 v1(65,46) ; 51.18,63.55 51,63.73 v1(51,64) 51,64.17 51.18,64.35 ; v1(44,46) U1.AJ10 45.25,45.75 45.33,45.75 ; 110.3,66.5 110.45,66.35 v1(111,66.35) 111,65.9 110.55,65.45 110.35,65.45 ; v1(67,65.5) 66.3,65.5 C6.1 C3.1 ; 24.65,48.3 24.13,48.3 v1(24,48.17) 23.87,48.3 23.65,48.3 ; U1.AF29 v1(64,49) ; v1(78.9,25.4) 79.2,25.1 79.82,25.1 80.22,25.5 C191.2 ; 40.12,64.5 v1(40.5,64.5) ; 78.1,25.09 v1(78.1,25.4) ; 52.65,56.82 52.82,56.82 v1(53,57) ; 51.5,48.5 v1(51,48) ; 52.5,66.5 v1(52,66) ; U1.AE22 v1(57,50) ; U1.J30 v1(65,67) ; v1(72.43,65.58) 72.45,65.6 72.45,66.15 ; 61.5,66.5 v1(62,66) ; C109.2 32.92,51.82 v1(32.92,51.7) ; 52.5,45.5 v1(52,45) ; 55.5,45.5 v1(55,46) ; U1.AA24 v1(59,54) ; U1.AD5 v1(39,51) ; 40.12,68.5 v1(40.5,68.5) ; 59.5,62.5 v1(60,62) ; 44.5,67.5 v1(44,67) ; v1(64,70) U1.F29 63.5,69.47 ; 58.5,47.5 v1(58,47) ; v1(58,60) C383.1 ; 45.5,52.5 v1(45,53) ; v1(100.62,55.03) 100.66,54.99 101.35,54.99 ; 42.5,67.62 v1(42.5,67.5) ; 60.5,57.5 v1(61,58) ; 54.5,69.5 v1(54,70) ; U1.A24 v1(59,75) ; 91.95,72.3 v1(91.5,71.85) ; 46.5,49.5 v1(46,50) ; 54.5,48.5 v1(54,49) ; D3.2 v1(113.4,10.3) ; v1(40,48) U1.AG6 ; U1.M21 v1(56,64) ; 34.55,45 v1(34.15,45) ; v1(48,54) 47.5,54.5 ; v1(37,47) U1.AH3